# KiCad board reform2-motherboard.kicad_pcb
title: REFORM; date: 2019-04-08; rev: 2.0; company: MNT Research GmbH
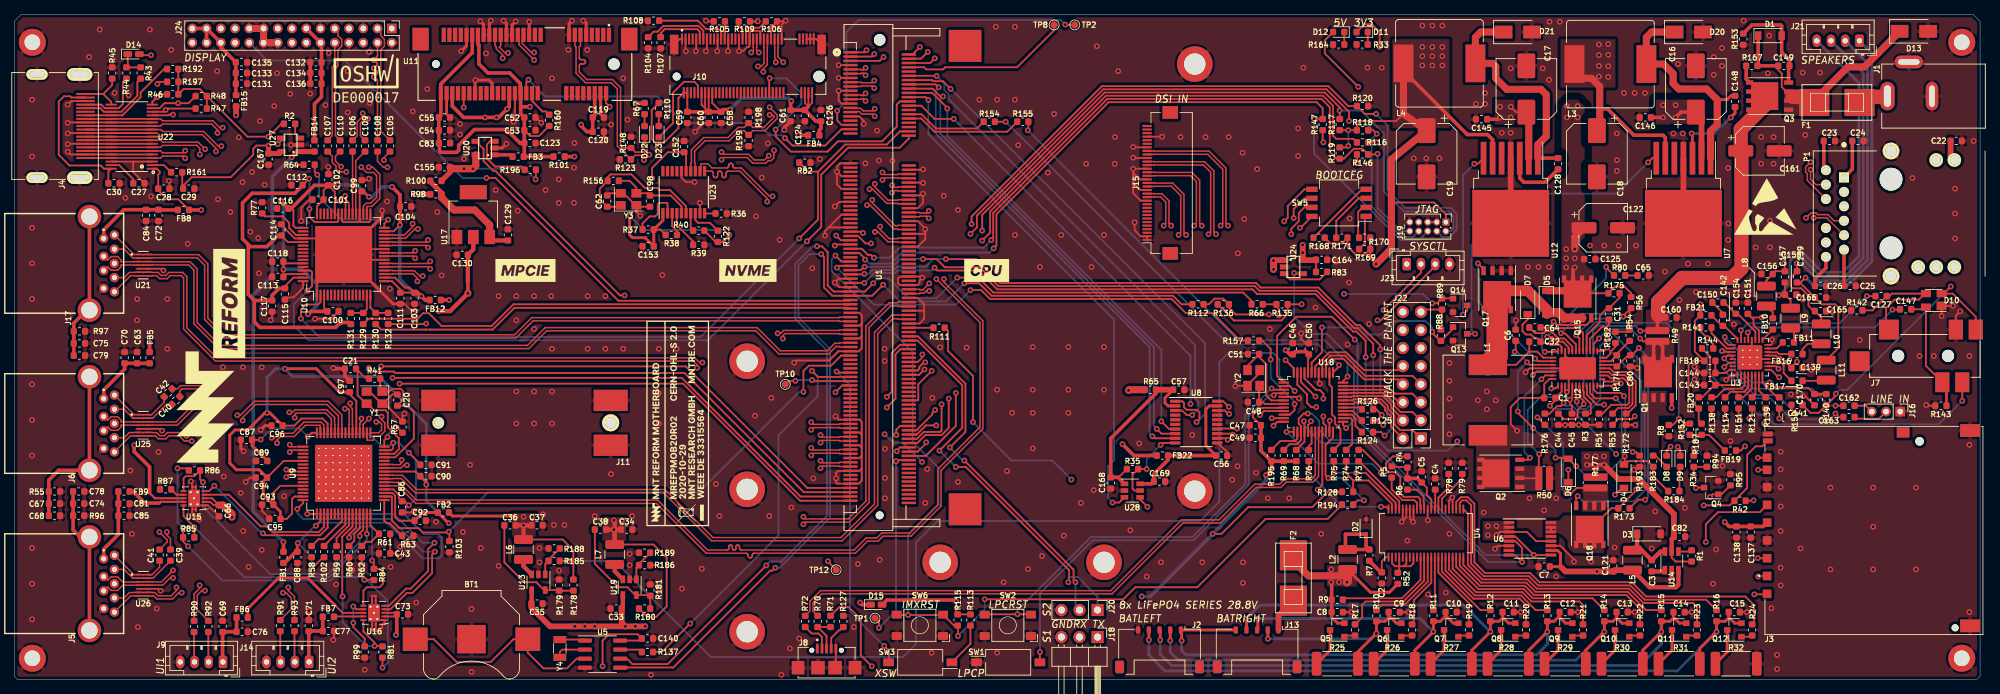
[diagram p0: board, top side]
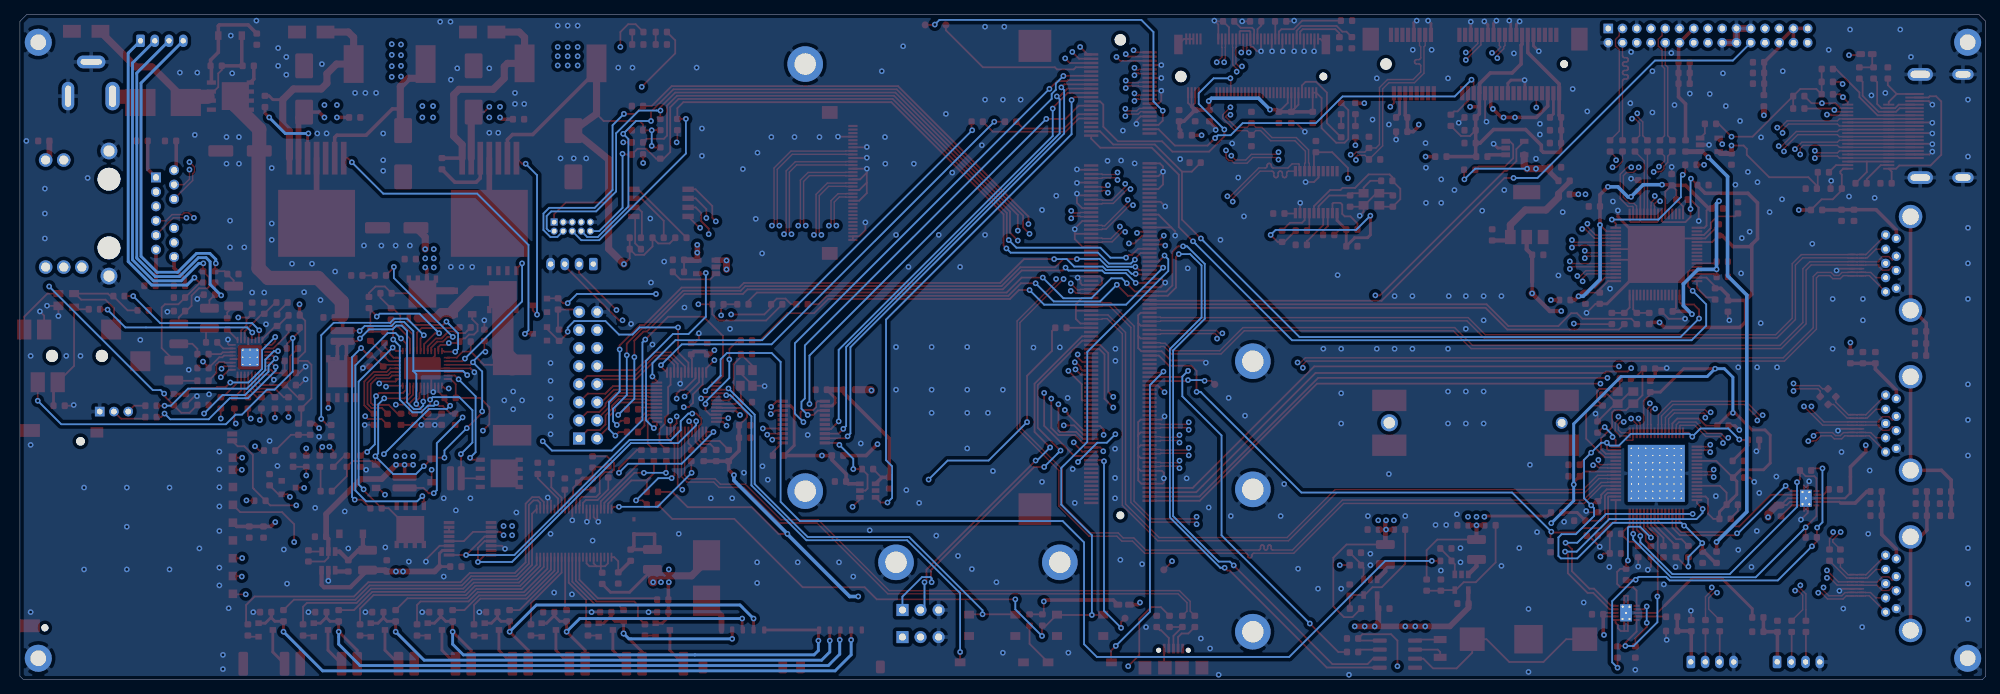
[diagram p1: board, bottom side, seen from below]

Outline 276 x 93.5 mm; copper layers: Top, GND.Cu (plane), Signal.Cu, Power.Cu (plane), GND2.Cu (plane), Bottom. Coordinates in mm from the lower left corner of the outline.
Outline path: 0,0.5 0,92.5 1,93.5 275,93.5 276,92.5 276,0.5 275.5,0 0.5,0 0,0.5

## Placement (name value [footprint] x y rotation side)
BT1  CR1220  [BatteryHolder_Keystone_3000_1x12mm]  64.2 5.7 0 top
C1  1uF  [C_0603_1608Metric]  215.6 39.6 180 top
C2  0.1uF  [C_0603_1608Metric]  192 14.3 270 top
C3  0.33uF  [C_0603_1608Metric]  229.9 16 270 top
C4  1uF  [C_0603_1608Metric]  199.5 27.5 90 top
C5  1uF  [C_0603_1608Metric]  197.6 28.5 90 top
C6  4.7uF  [C_0603_1608Metric]  210.8 48.4 270 top
C7  0.1uF  [C_0603_1608Metric]  214.8 15.9 180 top
C8  0.1uF  [C_0603_1608Metric]  185.75 9.5 0 top
C9  0.1uF  [C_0603_1608Metric]  193.75 9.5 0 top
C10  0.1uF  [C_0603_1608Metric]  201.75 9.5 0 top
C11  0.1uF  [C_0603_1608Metric]  209.75 9.5 0 top
C12  0.1uF  [C_0603_1608Metric]  217.75 9.5 0 top
C13  0.1uF  [C_0603_1608Metric]  225.75 9.5 0 top
C14  0.1uF  [C_0603_1608Metric]  233.75 9.5 0 top
C15  0.1uF  [C_0603_1608Metric]  241.5 9.5 0 top
C16  100uF  [CP_Elec_8x10]  236.1 83 90 top
C17  100uF  [CP_Elec_8x10]  212.3 83 90 top
C18  220uF  [CP_Elec_8x10]  222.2 73.9 270 top
C19  220uF  [CP_Elec_8x10]  198.3 73.9 270 top
C20  18pF  [C_0603_1608Metric]  53.8 39.3 90 top
C21  18pF  [C_0603_1608Metric]  47.2 43.7 180 top
C22  0.1uF  [C_0603_1608Metric]  272.65 75.7 0 top
C23  0.1uF  [C_0603_1608Metric]  254.85 75.7 0 top
C24  0.1uF  [C_0603_1608Metric]  258.85 75.7 0 top
C25  0.1uF  [C_0603_1608Metric]  257.75 55.35 0 top
C26  0.1uF  [C_0603_1608Metric]  253.6 55.35 0 top
C27  0.1uF  [C_0603_1608Metric]  17.5 69.75 180 top
C28  0.1uF  [C_0603_1608Metric]  21 69 180 top
C29  0.1uF  [C_0603_1608Metric]  24.5 69 0 top
C30  0.1uF  [C_0603_1608Metric]  14 69.75 0 top
C31  0.33uF  [C_0603_1608Metric]  223.9 51.4 90 top
C32  1uF  [C_0603_1608Metric]  213.5 47.5 180 top
C33  4.7uF  [C_0603_1608Metric]  84.5 10 180 top
C34  10uF  [C_0603_1608Metric]  86 21.1 0 top
C35  4.7uF  [C_0603_1608Metric]  73.4 10.7 0 top
C36  6.8pF  [C_0603_1608Metric]  69.6 21.7 180 top
C37  10uF  [C_0603_1608Metric]  73.4 21.7 0 top
C38  6.8pF  [C_0603_1608Metric]  82.3 21.1 180 top
C39  0.1uF  [C_0603_1608Metric]  21.94 17.51 270 top
C40  0.1uF  [C_0603_1608Metric]  22.69 39.24 225 top
C41  0.1uF  [C_0603_1608Metric]  20.41 17.51 270 top
C42  0.1uF  [C_0603_1608Metric]  21.61 40.31 225 top
C43  10uF  [C_0603_1608Metric]  52 17.75 180 top
C44  2.2uF  [C_0603_1608Metric]  216.8 36.6 90 top
C45  0.033uF  [C_0603_1608Metric]  218.7 36.6 90 top
C46  10uF  [C_0603_1608Metric]  179.5 46.5 90 top
C47  10uF  [C_0603_1608Metric]  174.25 35.75 180 top
C48  18pF  [C_0603_1608Metric]  174 39 180 top
C49  0.1uF  [C_0603_1608Metric]  174.25 34 180 top
C50  0.1uF  [C_0603_1608Metric]  181.75 46.5 90 top
C51  18pF  [C_0603_1608Metric]  174 45.75 180 top
C52  10nF  [C_0603_1608Metric]  72.4 79 0 top
C53  0.1uF  [C_0603_1608Metric]  72.4 77.2 0 top
C54  0.1uF  [C_0603_1608Metric]  60.4 77.2 0 top
C55  0.1uF  [C_0603_1608Metric]  60.4 79 0 top
C56  0.1uF  [C_0603_1608Metric]  169.5 31.5 0 top
C57  0.1uF  [C_0603_1608Metric]  163.5 40.75 0 top
C58  10nF  [C_0603_1608Metric]  99.25 79 270 top
C59  0.1uF  [C_0603_1608Metric]  94.5 79 270 top
C60  0.1uF  [C_0603_1608Metric]  97.5 79 270 top
C61  0.1uF  [C_0603_1608Metric]  109 79.25 270 top
C62  18pF  [C_0603_1608Metric]  83.25 67.25 90 top
C63  10uF  [C_0603_1608Metric]  17.25 45.25 90 top
C64  2nF  [C_0603_1608Metric]  213.5 49.5 180 top
C65  680pF  [C_0603_1608Metric]  228.7 56.8 180 top
C66  0.1uF  [C_0603_1608Metric]  28.75 23.75 270 top
C67  0.1uF  [C_0603_1608Metric]  5.65 24.75 0 top
C68  2nF  [C_0603_1608Metric]  5.65 23.05 0 top
C69  10uF  [C_0603_1608Metric]  29.25 7.5 90 top
C70  0.1uF  [C_0603_1608Metric]  15.5 45.25 90 top
C71  10uF  [C_0603_1608Metric]  41.35 7.6 90 top
C72  10uF  [C_0603_1608Metric]  20.25 65.25 270 top
C73  0.1uF  [C_0603_1608Metric]  54.5 9.2 0 top
C74  0.1uF  [C_0603_1608Metric]  9.05 24.75 0 top
C75  0.1uF  [C_0603_1608Metric]  9.15 47.25 0 top
C76  0.1uF  [C_0603_1608Metric]  32 6.75 0 top
C77  0.1uF  [C_0603_1608Metric]  44.1 6.85 0 top
C78  2nF  [C_0603_1608Metric]  9.05 26.45 0 top
C79  2nF  [C_0603_1608Metric]  9.15 45.55 0 top
C80  0.1uF  [C_0603_1608Metric]  226.9 44.8 90 top
C81  10uF  [C_0603_1608Metric]  15.4 24.75 0 top
C82  2.2uF  [C_0603_1608Metric]  233.8 20.1 180 top
C83  47uF  [C_0603_1608Metric]  60.41 75.4 0 top
C84  0.1uF  [C_0603_1608Metric]  18.5 65.25 270 top
C85  0.1uF  [C_0603_1608Metric]  15.4 23.05 0 top
C86  0.1uF  [C_0603_1608Metric]  54.45 24.3 270 top
C87  0.1uF  [C_0603_1608Metric]  32.6 33.7 180 top
C88  0.1uF  [C_0603_1608Metric]  39.75 17.2 270 top
C89  0.1uF  [C_0603_1608Metric]  34.75 30.75 180 top
C90  0.1uF  [C_0603_1608Metric]  57.8 28.6 0 top
C91  10uF  [C_0603_1608Metric]  57.8 30.2 0 top
C92  0.1uF  [C_0603_1608Metric]  57 22.35 0 top
C93  0.1uF  [C_0603_1608Metric]  35.6 24.6 180 top
C94  0.1uF  [C_0603_1608Metric]  34.7 28.4 180 top
C95  0.1uF  [C_0603_1608Metric]  36.6 22.6 180 top
C96  0.1uF  [C_0603_1608Metric]  36.9 35.7 180 top
C97  0.1uF  [C_0603_1608Metric]  47.1 41.2 90 top
C98  18pF  [C_0603_1608Metric]  89.25 67.25 270 top
C99  10uF  [C_0603_1608Metric]  48.8 69.4 90 top
C100  1uF  [C_0603_1608Metric]  44.75 51.75 0 top
C101  0.1uF  [C_0603_1608Metric]  42.65 67.45 180 top
C102  10nF  [C_0603_1608Metric]  44.1 70.25 90 top
C103  0.1uF  [C_0603_1608Metric]  56.2 53.6 270 top
C104  10nF  [C_0603_1608Metric]  54.95 66.5 0 top
C105  0.1uF  [C_0603_1608Metric]  52.75 75 270 top
C106  0.1uF  [C_0603_1608Metric]  47.5 75 270 top
C107  0.1uF  [C_0603_1608Metric]  44 75 270 top
C108  0.1uF  [C_0603_1608Metric]  51 75 270 top
C109  0.1uF  [C_0603_1608Metric]  49.25 75 270 top
C110  0.1uF  [C_0603_1608Metric]  45.75 75 270 top
C111  1uF  [C_0603_1608Metric]  54.2 53.6 270 top
C112  10uF  [C_0603_1608Metric]  39.7 69.5 180 top
C113  0.1uF  [C_0603_1608Metric]  37 56.6 180 top
C114  1uF  [C_0603_1608Metric]  37.5 63.2 90 top
C115  0.1uF  [C_0603_1608Metric]  38 54.2 270 top
C116  10nF  [C_0603_1608Metric]  37.7 66.2 180 top
C117  10nF  [C_0603_1608Metric]  36.2 52.5 270 top
C118  0.1uF  [C_0603_1608Metric]  37 58.75 180 top
C119  0.1uF  [C_0603_1608Metric]  82 79 0 top
C120  10uF  [C_0603_1608Metric]  82 77 0 top
C121  47uF  [C_0603_1608Metric]  224.5 16 270 top
C122  100uF  [CP_Elec_6.3x7.7]  223.1 63.5 0 top
C123  47uF  [C_0603_1608Metric]  72.4 75.4 0 top
C124  47uF  [C_0603_1608Metric]  111 79.25 270 top
C125  2.2uF  [C_0603_1608Metric]  221.2 59.1 0 top
C126  47uF  [C_0603_1608Metric]  113.25 79.25 90 top
C127  47uF  [C_0603_1608Metric]  262.1 53.9 180 top
C128  10nF  [C_0603_1608Metric]  216.75 72.5 270 top
C129  1uF  [C_0603_1608Metric]  69.3 62.5 90 top
C130  1uF  [C_0603_1608Metric]  62.9 59.7 180 top
C131  10uF  [C_0603_1608Metric]  31.9 83.75 0 top
C132  10uF  [C_0603_1608Metric]  42.35 86.75 180 top
C133  10uF  [C_0603_1608Metric]  31.9 85.25 0 top
C134  10uF  [C_0603_1608Metric]  42.35 85.25 180 top
C135  0.1uF  [C_0603_1608Metric]  31.9 86.75 0 top
C136  0.1uF  [C_0603_1608Metric]  42.35 83.75 180 top
C137  10uF  [C_0603_1608Metric]  243.8 20.75 270 top
C138  0.1uF  [C_0603_1608Metric]  241.8 20.75 270 top
C139  4.7uF  [C_0603_1608Metric]  250.3 43.8 0 top
C140  0.1uF  [C_0603_1608Metric]  88.9 5.8 180 top
C141  1uF  [C_0603_1608Metric]  250.3 38.6 180 top
C142  0.1uF  [C_0603_1608Metric]  239.9 50.5 90 top
C143  0.1uF  [C_0603_1608Metric]  238.05 41.4 180 top
C144  0.1uF  [C_0603_1608Metric]  238.05 43.1 0 top
C145  1uF  [C_0603_1608Metric]  206 78.75 0 top
C146  1uF  [C_0603_1608Metric]  229 79 0 top
C147  47uF  [C_0603_1608Metric]  265.55 52.05 180 top
C148  10nF  [C_0603_1608Metric]  241.6 81.25 270 top
C149  0.1uF  [C_0603_1608Metric]  248.45 86.25 0 top
C150  10uF  [C_0603_1608Metric]  239.2 53 180 top
C151  4.7uF  [C_0603_1608Metric]  243.4 52.2 90 top
C152  10nF  [C_0603_1608Metric]  94.05 74.9 90 top
C153  10nF  [C_0603_1608Metric]  89 60.9 180 top
C154  0.1uF  [C_0603_1608Metric]  241.7 52.2 90 top
C155  10uF  [C_0603_1608Metric]  60.4 72 180 top
C156  0.1uF  [C_0603_1608Metric]  246.1 57 180 top
C157  470nF  [C_0603_1608Metric]  248.6 56.6 270 top
C158  0.1uF  [C_0603_1608Metric]  249.4 54.1 0 top
C159  470nF  [C_0603_1608Metric]  250.3 56.6 270 top
C160  2.2uF  [C_0603_1608Metric]  232.6 50.9 0 top
C161  100uF  [CP_Elec_6.3x7.7]  245.1 74.3 0 top
C162  1uF  [C_0603_1608Metric]  257.6 38.5 0 top
C163  1uF  [C_0603_1608Metric]  257.6 36.9 0 top
C164  10uF  [C_0603_1608Metric]  183.55 59 0 top
C165  0.1uF  [C_0603_1608Metric]  253.6 51.8 0 top
C166  0.1uF  [C_0603_1608Metric]  253.6 53.7 0 top
C167  10uF  [C_0603_1608Metric]  35.7 73.15 270 top
C168  0.1uF  [C_0603_1608Metric]  153.95 27.65 270 top
C169  0.1uF  [C_0603_1608Metric]  160.8 27.85 0 top
C170  4.7uF  [C_0603_1608Metric]  252.75 39.35 270 top
D1  BZT52C10  [D_SOD-123]  246.5 90.5 0 top
D2  BAT46WJ,115  [D_SOD-323]  189.8 21.5 90 top
D3  SBR0560S1  [D_SOD-123]  229.5 20.5 0 top
D4  SBR0560S1  [D_SOD-123]  226 28.6 90 top
D5  RBR3MM60ATF  [D_SOD-123]  215.1 53 270 top
D6  SBR0560S1  [D_SOD-123]  218.2 29.4 90 top
D7  BZT52C6V2-7-F  [D_SOD-123]  212.5 53 90 top
D8  LEDCHG1  [LED_0603_1608Metric]  232 30.7 270 top
D9  LEDCHG2  [LED_0603_1608Metric]  233.9 30.7 270 top
D10  SP0503BAHT  [SOT-143]  269.5 53.3 180 top
D11  LED3V  [LED_0603_1608Metric]  189.25 91 180 top
D12  LED5V  [LED_0603_1608Metric]  185.95 91 180 top
D13  SMAJ36CA-E3/5A  [D_SMA]  266.7 91.1 0 top
D14  SD0603S040S0R2  [D_0603_1608Metric_Castellated]  16.75 87.9 0 top
D15  SD0603S040S0R2  [D_0603_1608Metric_Castellated]  121.04 10.55 0 top
D20  SK54A-LTP  [D_SMA]  235.1 91 0 top
D21  SK54A-LTP  [D_SMA]  211.1 91 0 top
D22  LED_WLAN1  [LED_0603_1608Metric]  88.5 77 90 top
D23  LED_NVME  [LED_0603_1608Metric]  90.5 77 90 top
F1  0157004.DR  [fuse_smf]  255.9 81.1 180 top
F2  0157004.DR  [fuse_smf]  179.6 14.3 270 top
FB1  220@100MHz 1.4A  [L_0603_1608Metric]  37.8 17.2 270 top
FB2  220@100MHz 1.4A  [L_0603_1608Metric]  60.25 23.5 180 top
FB3  100@100MHz 3A  [L_0603_1608Metric]  70.75 73.5 0 top
FB4  100@100MHz 3A  [L_0603_1608Metric]  112.25 76.5 0 top
FB5  220@100MHz 1.4A  [L_0603_1608Metric]  19 45.25 270 top
FB6  220@100MHz 1.4A  [L_0603_1608Metric]  32 8.75 180 top
FB7  220@100MHz 1.4A  [L_0603_1608Metric]  44.1 8.85 180 top
FB8  220@100MHz 1.4A  [L_0603_1608Metric]  23.75 66 180 top
FB9  220@100MHz 1.4A  [L_0603_1608Metric]  15.4 26.45 180 top
FB10  100@100MHz 3A  [L_0603_1608Metric]  246.9 50 90 top
FB11  100@100MHz 3A  [L_0603_1608Metric]  249.09 47.4 0 top
FB12  100@100MHz 3A  [L_0603_1608Metric]  59.1 53.35 180 top
FB14  100@100MHz 3A  [L_0603_1608Metric]  42.15 75 90 top
FB15  100@100MHz 3A  [L_0603_1608Metric]  31.15 81.35 90 top
FB16  100@100MHz 3A  [L_0603_1608Metric]  250.3 45.75 0 top
FB17  100@100MHz 3A  [L_0603_1608Metric]  250.3 42 0 top
FB18  100@100MHz 3A  [L_0603_1608Metric]  238.05 44.8 0 top
FB19  100@100MHz 3A  [L_0603_1608Metric]  240.95 32.2 0 top
FB20  100@100MHz 3A  [L_0603_1608Metric]  236.5 38.9 90 top
FB21  100@100MHz 3A  [L_0603_1608Metric]  237.5 51.2 0 top
FB22  100@100MHz 3A  [L_0603_1608Metric]  161.2 31.5 0 top
H1  NGFF-Mount1  [WA-SMSI-M2]  102.9 6.75 0 top
H2  NGFF-Mount2  [WA-SMSI-M2]  102.9 26.75 0 top
H3  NGFF-Mount3  [WA-SMSI-M2]  102.9 44.75 0 top
H5  MountingHole_Pad  [MountingHole_2.2mm_M2_DIN965_Pad]  2.54 89.56 0 top
H6  MountingHole_Pad  [MountingHole_2.2mm_M2_DIN965_Pad]  273.43 89.56 0 top
H7  MountingHole_Pad  [MountingHole_2.2mm_M2_DIN965_Pad]  2.54 3.02 0 top
H8  MountingHole_Pad  [MountingHole_2.2mm_M2_DIN965_Pad]  273.43 3.02 0 top
H9  OSHWA_DE17  [oshwa-de17]  49.4 84.2 0 top
H10  LOGO_REFORM  [mntreform]  27.6 45.5 90 top
H11  LABEL_MPCIE1  [mpcie]  71.75 57.5 0 top
H12  LABEL_MPCIE2  [nvme]  103 57.5 0 top
H13  LABEL_CPU  [cpu]  136.5 57.5 0 top
H14  BADGE  [reform2-motherboard-badge]  93.15 36 90 top
H15  NOTOUCH  [ESD-Logo_8.9x8mm_SilkScreen]  245.85 66.5 0 top
H22  MountingHole_Pad  [WA-SMSI-M2]  165.75 86.5 0 top
H24  MountingHole_Pad  [WA-SMSI-M2]  153 16.5 0 top
H25  MountingHole_Pad  [WA-SMSI-M2]  130 16.5 0 top
H27  MountingHole_Pad  [WA-SMSI-M2]  165.75 26.5 0 top
J1  Jack-DC  [SWC_RAPC712X]  266 82 90 top
J2  BATCON2  [Molex_Pico-Lock_504050-0591_1x05-1MP_P1.50mm_Horizontal]  160.8 4.2 180 top
J3  SD_Card  [TE_1775059-1]  267.5 33.5 0 top
J4  HDMI_A  [HDMI-685119134923]  10 77.8 270 top
J5  USB3_A  [692121030100]  7.2 13.5 270 top
J6  USB3_A  [692121030100]  7.2 36 270 top
J7  -  [SJ-43516-SMT]  268 45.5 180 top
J8  USB_B_Micro  [WE_629105136821]  114.05 1.7 0 top
J9  USB_INT1  [JST_PH_B4B-PH-K_1x04_P2.00mm_Vertical]  29.3 2.5 180 top
J10  1-2199230-6  [TE_1-2199230-6]  103 84.75 0 top
J11  48099-5701  [MOLEX_48099-5701]  71.64 36.1 180 top
J13  BATCON1  [Molex_Pico-Lock_504050-0591_1x05-1MP_P1.50mm_Horizontal]  174.5 4.2 180 top
J14  USB_INT2  [JST_PH_B4B-PH-K_1x04_P2.00mm_Vertical]  41.4 2.5 180 top
J15  Conn_01x33  [Hirose_FH12-33S-0.5SH_1x33-1MP_P0.50mm_Horizontal]  160.9 69.8 90 top
J16  LINE_IN  [PinHeader_1x03_P2.00mm_Vertical]  264.8 37.67 270 top
J17  USB3_A  [692121030100]  7.2 58.5 270 top
J18  Conn_01x03_Male  [PinHeader_1x03_P2.54mm_Horizontal]  152.1 6 270 top
J19  JTAG  [PinHeader_2x05_P1.27mm_Vertical]  201 64.3 270 top
J20  Conn_01x03_Male  [PinHeader_1x03_P2.54mm_Vertical]  152.1 9.8 270 top
J21  Conn_01x04  [JST_PH_B4B-PH-K_1x04_P2.00mm_Vertical]  259.07 89.77 180 top
J22  LPC_IO  [PinHeader_2x08_P2.54mm_Vertical]  197.5 33.9 180 top
J23  KDBSYSCTL  [JST_PH_B4B-PH-K_1x04_P2.00mm_Vertical]  195.5 58.4 0 top
J24  EDP_HEADER  [PinHeader_2x15_P2.00mm_Vertical]  53 91.5 270 top
L1  22uH 5A  [L_12x12mm_H6mm]  206.9 39.3 90 top
L2  IMC1210ER100K  [L_1210_3225Metric]  187.2 16.9 90 top
L3  68uH  [L_Bourns_SRR1210A]  224.1 86.5 180 top
L4  68uH  [L_Bourns_SRR1210A]  200.1 86.6 180 top
L5  10uH  [L_1210_3225Metric]  227.2 16.8 270 top
L6  2.2uH  [L_1210_3225Metric]  71.5 18.3 90 top
L7  2.2uH  [L_1210_3225Metric]  84.3 17.6 90 top
L8  15uH  [L_1210_3225Metric]  246 53.9 90 top
L9  15uH  [L_1210_3225Metric]  249.4 50.8 90 top
L10  15uH  [L_1210_3225Metric]  253.7 48.6 90 top
L11  15uH  [L_1210_3225Metric]  254.4 43.5 90 top
P1  J0G-0003NL  [PULSE_J0G-0003NL]  263.5 65.5 270 top
Q1  Si7850DP  [PowerPAK_SO-8_Single_8Pads]  230.8 42.3 90 top
Q2  Si7850DP  [PowerPAK_SO-8_Single_8Pads]  208.7 29 180 top
Q3  Si7461DP  [PowerPAK_SO-8_Single_8Pads]  246.45 82 180 top
Q4  PMV50ENEAR  [SOT-23]  238.25 27 180 top
Q5  PMV50EPEAR  [SOT-23]  185.75 7 180 top
Q6  PMV50EPEAR  [SOT-23]  193.75 7 180 top
Q7  PMV50EPEAR  [SOT-23]  201.75 7 180 top
Q8  PMV50EPEAR  [SOT-23]  209.75 7 180 top
Q9  PMV50EPEAR  [SOT-23]  217.75 7 180 top
Q10  PMV50EPEAR  [SOT-23]  225.75 7 180 top
Q11  PMV50EPEAR  [SOT-23]  233.75 7 180 top
Q12  PMV50EPEAR  [SOT-23]  241.5 7 180 top
Q13  PMV50ENEAR  [SOT-23]  203 48.6 0 top
Q14  PMV50ENEAR  [SOT-23]  203 52.6 0 top
Q15  Si7850DP  [PowerPAK_SO-8_Single_8Pads]  219.5 53.5 90 top
Q17  Si7850DP  [PowerPAK_SO-8_Single_8Pads]  208.2 54.8 270 top
Q18  Si7461DP  [PowerPAK_SO-8_Single_8Pads]  221.2 21.8 270 top
R1  0  [R_0603_1608Metric]  235.5 17.4 270 top
R2  10k  [R_0603_1608Metric]  38.65 78.1 180 top
R3  100k  [R_0603_1608Metric]  220.6 36.6 90 top
R4  1M  [R_0603_1608Metric]  195.6 30.6 90 top
R5  1M  [R_0603_1608Metric]  193.4 29.2 270 top
R6  1M  [R_0603_1608Metric]  195.6 27.5 270 top
R7  100  [R_0603_1608Metric]  190.25 17.5 270 top
R8  100k  [R_0603_1608Metric]  232.3 35 90 top
R9  100  [R_0603_1608Metric]  185.75 11.25 0 top
R10  100  [R_0603_1608Metric]  191.25 9 90 top
R11  100  [R_0603_1608Metric]  199.25 9 90 top
R12  100  [R_0603_1608Metric]  207.25 9 90 top
R13  100  [R_0603_1608Metric]  215.25 9 90 top
R14  100  [R_0603_1608Metric]  223.25 9 90 top
R15  100  [R_0603_1608Metric]  231.25 9 90 top
R16  100  [R_0603_1608Metric]  239 9 90 top
R17  3.3k  [R_0603_1608Metric]  188.25 7 90 top
R18  3.3k  [R_0603_1608Metric]  196.25 7 90 top
R19  3.3k  [R_0603_1608Metric]  204.25 7 90 top
R20  3.3k  [R_0603_1608Metric]  212.25 7 90 top
R21  3.3k  [R_0603_1608Metric]  220.25 7 90 top
R22  3.3k  [R_0603_1608Metric]  228.25 7 90 top
R23  3.3k  [R_0603_1608Metric]  236.25 7 90 top
R24  3.3k  [R_0603_1608Metric]  244 7 90 top
R25  4.7  [R_2512_6332Metric]  185.75 2.25 180 top
R26  4.7  [R_2512_6332Metric]  193.75 2.25 180 top
R27  4.7  [R_2512_6332Metric]  201.75 2.25 180 top
R28  4.7  [R_2512_6332Metric]  209.75 2.25 180 top
R29  4.7  [R_2512_6332Metric]  217.75 2.25 180 top
R30  4.7  [R_2512_6332Metric]  225.75 2.25 180 top
R31  4.7  [R_2512_6332Metric]  233.75 2.25 180 top
R32  4.7  [R_2512_6332Metric]  241.75 2.25 180 top
R33  1k  [R_0603_1608Metric]  189.25 89.25 0 top
R34  150k  [R_0603_1608Metric]  235.8 30.7 90 top
R35  1.5k  [R_0603_1608Metric]  157 29.6 0 top
R36  475  [R_0603_1608Metric]  99.25 65.5 180 top
R37  1.5k  [R_0603_1608Metric]  89 63.25 180 top
R38  1.5k  [R_0603_1608Metric]  92.25 62.5 0 top
R39  0  [R_0603_1608Metric]  96.1 61.1 180 top
R40  1.5k  [R_0603_1608Metric]  96.1 63.1 180 top
R41  1M  [R_0603_1608Metric]  50.6 42.3 180 top
R42  1.5k  [R_0603_1608Metric]  242.3 25.15 180 top
R43  4.7k  [R_0603_1608Metric]  17.75 85.25 270 top
R44  4.7k  [R_0603_1608Metric]  15.75 85.25 270 top
R45  10k  [R_0603_1608Metric]  13.75 85.25 90 top
R46  100k  [R_0603_1608Metric]  22.25 82.25 0 top
R47  47k  [R_0603_1608Metric]  26.25 80.25 0 top
R48  47k  [R_0603_1608Metric]  26.25 82 0 top
R49  0.01  [R_0612_1632Metric]  230.7 48.3 270 top
R50  0.01  [R_0612_1632Metric]  214.8 28.3 0 top
R51  0  [R_0603_1608Metric]  222.5 36.6 90 top
R52  100  [R_0603_1608Metric]  194.25 14.25 270 top
R53  330  [R_0603_1608Metric]  224.4 36.6 90 top
R54  10k  [R_0603_1608Metric]  226.8 48.4 90 top
R55  1M  [R_0603_1608Metric]  5.65 26.45 0 top
R56  100k  [R_0603_1608Metric]  227 53 270 top
R57  9.53k  [R_0603_1608Metric]  54.5 35.5 90 top
R58  4.7k  [R_0603_1608Metric]  41.75 18 270 top
R59  4.7k  [R_0603_1608Metric]  45.25 18 270 top
R60  4.7k  [R_0603_1608Metric]  47 18 270 top
R61  90.9k 1%  [R_0603_1608Metric]  52 20.5 0 top
R62  10k 1%  [R_0603_1608Metric]  48.8 18 270 top
R63  4.7k  [R_0603_1608Metric]  55.25 20.25 0 top
R64  51k  [R_0603_1608Metric]  41.4 72.35 0 top
R65  0  [R_0603_1608Metric]  159.5 40.75 180 top
R66  220  [R_0603_1608Metric]  174.5 52.75 0 top
R67  1k  [R_0603_1608Metric]  88.5 80.25 270 top
R68  4.7k  [R_0603_1608Metric]  180 31.5 90 top
R69  4.7k  [R_0603_1608Metric]  178.25 31.5 90 top
R70  33  [R_0603_1608Metric]  112.8 8.2 90 top
R71  1.5k  [R_0603_1608Metric]  114.6 8.2 270 top
R72  33  [R_0603_1608Metric]  111.05 8.2 90 top
R73  0  [R_0603_1608Metric]  188.75 31.5 90 top
R74  0  [R_0603_1608Metric]  187 31.5 90 top
R75  0  [R_0603_1608Metric]  185.25 31.5 90 top
R76  0  [R_0603_1608Metric]  181.75 31.5 90 top
R77  0  [R_0603_1608Metric]  34.8 66.3 270 top
R78  0  [R_0603_1608Metric]  201.4 29.7 90 top
R79  0  [R_0603_1608Metric]  203.3 29.7 90 top
R80  47k  [R_0603_1608Metric]  225.4 56.8 180 top
R81  100k  [R_0603_1608Metric]  51.7 3.9 270 top
R82  100k  [R_0603_1608Metric]  111 72.65 0 top
R83  10k  [R_0603_1608Metric]  183.55 57.3 180 top
R84  100k  [R_0603_1608Metric]  50.5 14.8 270 top
R85  100k  [R_0603_1608Metric]  24.5 20 180 top
R86  100k  [R_0603_1608Metric]  25.3 29.4 180 top
R87  24.9k  [R_0603_1608Metric]  21.25 26.75 180 top
R88  100k  [R_0603_1608Metric]  200.3 48.4 90 top
R89  100k  [R_0603_1608Metric]  200.45 52.8 270 top
R90  27  [R_0603_1608Metric]  25.25 7.5 270 top
R91  27  [R_0603_1608Metric]  37.35 7.6 270 top
R92  27  [R_0603_1608Metric]  27.25 7.5 270 top
R93  27  [R_0603_1608Metric]  39.35 7.6 270 top
R94  100k  [R_0603_1608Metric]  237.65 30.7 270 top
R95  10k  [R_0603_1608Metric]  240.95 28.1 270 top
R96  1M  [R_0603_1608Metric]  9.05 23.05 0 top
R97  1M  [R_0603_1608Metric]  9.15 48.95 0 top
R98  0  [R_0603_1608Metric]  59.2 68.2 180 top
R99  24.9k  [R_0603_1608Metric]  49.2 3.9 270 top
R100  0  [R_0603_1608Metric]  59.2 70.1 0 top
R101  0  [R_0603_1608Metric]  76.5 73.5 180 top
R102  1.5k  [R_0603_1608Metric]  43.5 18 90 top
R103  100k  [R_0603_1608Metric]  61.1 18.7 90 top
R104  0  [R_0603_1608Metric]  89 89.5 270 top
R105  0  [R_0603_1608Metric]  99 92.5 180 top
R106  0  [R_0603_1608Metric]  106.3 92.5 0 top
R107  0  [R_0603_1608Metric]  90.75 89.5 270 top
R108  0  [R_0603_1608Metric]  89.75 92.6 180 top
R109  0  [R_0603_1608Metric]  102.5 92.5 0 top
R110  1k  [R_0603_1608Metric]  90.5 80.25 270 top
R111  0  [R_0603_1608Metric]  129.85 49.45 180 top
R112  220  [R_0603_1608Metric]  166.2 52.75 0 top
R113  10k  [R_0603_1608Metric]  134.25 8.4 90 top
R114  33  [R_0603_1608Metric]  240.2 38.9 90 top
R115  10k  [R_0603_1608Metric]  132.45 8.4 270 top
R116  0  [R_0603_1608Metric]  189.3 75.5 180 top
R117  10k  [R_0603_1608Metric]  186.1 78 90 top
R118  10k  [R_0603_1608Metric]  189.3 77.2 0 top
R119  10k  [R_0603_1608Metric]  186.1 74 270 top
R120  100k  [R_0603_1608Metric]  189.3 80.6 0 top
R121  33  [R_0603_1608Metric]  244 38.9 90 top
R122  1.5k  [R_0603_1608Metric]  98.8 62.3 90 top
R123  49.9  [R_0603_1608Metric]  85.8 73.1 0 top
R124  0  [R_0603_1608Metric]  190 34.8 0 top
R125  0  [R_0603_1608Metric]  190 36.4 0 top
R126  0  [R_0603_1608Metric]  190 38 0 top
R127  0  [R_0603_1608Metric]  116.4 8.2 270 top
R128  10k  [R_0603_1608Metric]  187.2 26.4 180 top
R129  0  [R_0603_1608Metric]  49 50.75 270 top
R130  0  [R_0603_1608Metric]  50.75 50.75 270 top
R131  4.7k  [R_0603_1608Metric]  47.25 50.75 270 top
R132  4.7k  [R_0603_1608Metric]  52.5 50.75 270 top
R135  4.7k  [R_0603_1608Metric]  178 52.75 180 top
R136  4.7k  [R_0603_1608Metric]  169.75 52.75 0 top
R137  0  [R_0603_1608Metric]  88.9 3.9 180 top
R138  33  [R_0603_1608Metric]  238.3 38.9 270 top